# KiCad board demomatrix.kicad_pcb (continued)
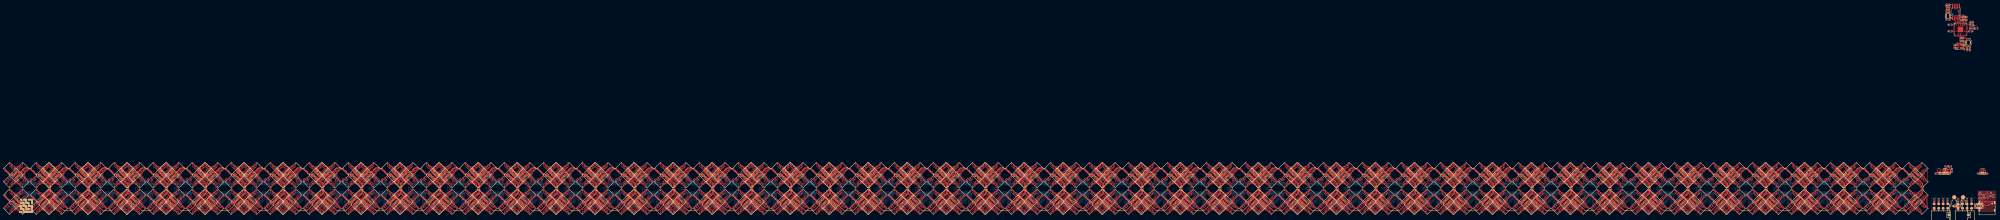
[diagram p0: board, top side]
## Nets (continued)
rgbs[2]-anodes-anode-474: LED586.5 LED587.6
rgbs[2]-anodes-anode-475: LED586.7 LED587.8
rgbs[2]-anodes-anode-476: LED590.3 LED591.4
rgbs[2]-anodes-anode-477: LED590.1 LED591.2
rgbs[2]-anodes-anode-478: LED590.5 LED591.6
rgbs[2]-anodes-anode-479: LED590.7 LED591.8
rgbs[2]-anodes-anode-480: LED594.3 LED595.4
rgbs[2]-anodes-anode-481: LED594.1 LED595.2
rgbs[2]-anodes-anode-482: LED594.5 LED595.6
rgbs[2]-anodes-anode-483: LED594.7 LED595.8
rgbs[2]-anodes-anode-484: LED598.3 LED599.4
rgbs[2]-anodes-anode-485: LED598.1 LED599.2
rgbs[2]-anodes-anode-486: LED598.5 LED599.6
rgbs[2]-anodes-anode-487: LED598.7 LED599.8
rgbs[2]-anodes-anode-488: LED602.3 LED603.4
rgbs[2]-anodes-anode-489: LED602.1 LED603.2
rgbs[2]-anodes-anode-490: LED602.5 LED603.6
rgbs[2]-anodes-anode-491: LED602.7 LED603.8
rgbs[2]-anodes-anode-492: LED606.3 LED607.4
rgbs[2]-anodes-anode-493: LED606.1 LED607.2
rgbs[2]-anodes-anode-494: LED606.5 LED607.6
rgbs[2]-anodes-anode-495: LED606.7 LED607.8
rgbs[2]-anodes-anode-496: LED610.3 LED611.4
rgbs[2]-anodes-anode-497: LED610.1 LED611.2
rgbs[2]-anodes-anode-498: LED610.5 LED611.6
rgbs[2]-anodes-anode-499: LED610.7 LED611.8
rgbs[2]-anodes-anode-500: LED614.3 LED615.4
rgbs[2]-anodes-anode-501: LED614.1 LED615.2
rgbs[2]-anodes-anode-502: LED614.5 LED615.6
rgbs[2]-anodes-anode-503: LED614.7 LED615.8
rgbs[2]-anodes-anode-504: LED618.3 LED619.4
rgbs[2]-anodes-anode-505: LED618.1 LED619.2
rgbs[2]-anodes-anode-506: LED618.5 LED619.6
rgbs[2]-anodes-anode-507: LED618.7 LED619.8
rgbs[2]-anodes-anode-508: LED622.3 LED623.4
rgbs[2]-anodes-anode-509: LED622.1 LED623.2
rgbs[2]-anodes-anode-510: LED622.5 LED623.6
rgbs[2]-anodes-anode-511: LED622.7 LED623.8
rgbs[2]-anodes-anode-512: LED626.3 LED627.4
rgbs[2]-anodes-anode-513: LED626.1 LED627.2
rgbs[2]-anodes-anode-514: LED626.5 LED627.6
rgbs[2]-anodes-anode-515: LED626.7 LED627.8
rgbs[2]-anodes-anode-516: LED630.3 LED631.4
rgbs[2]-anodes-anode-517: LED630.1 LED631.2
rgbs[2]-anodes-anode-518: LED630.5 LED631.6
rgbs[2]-anodes-anode-519: LED630.7 LED631.8
rgbs[2]-anodes-anode-520: LED634.3 LED635.4
rgbs[2]-anodes-anode-521: LED634.1 LED635.2
rgbs[2]-anodes-anode-522: LED634.5 LED635.6
rgbs[2]-anodes-anode-523: LED634.7 LED635.8
rgbs[2]-anodes-anode-524: LED638.3 LED639.4
rgbs[2]-anodes-anode-525: LED638.1 LED639.2
rgbs[2]-anodes-anode-526: LED638.5 LED639.6
rgbs[2]-anodes-anode-527: LED638.7 LED639.8
rgbs[2]-anodes-anode-528: LED50.3 LED51.4
rgbs[2]-anodes-anode-529: LED50.1 LED51.2
rgbs[2]-anodes-anode-530: LED50.5 LED51.6
rgbs[2]-anodes-anode-531: LED50.7 LED51.8
rgbs[2]-anodes-anode-532: LED54.3 LED55.4
rgbs[2]-anodes-anode-533: LED54.1 LED55.2
rgbs[2]-anodes-anode-534: LED54.5 LED55.6
rgbs[2]-anodes-anode-535: LED54.7 LED55.8
rgbs[2]-anodes-anode-536: LED58.3 LED59.4
rgbs[2]-anodes-anode-537: LED58.1 LED59.2
rgbs[2]-anodes-anode-538: LED58.5 LED59.6
rgbs[2]-anodes-anode-539: LED58.7 LED59.8
rgbs[2]-anodes-anode-540: LED62.3 LED63.4
rgbs[2]-anodes-anode-541: LED62.1 LED63.2
rgbs[2]-anodes-anode-542: LED62.5 LED63.6
rgbs[2]-anodes-anode-543: LED62.7 LED63.8
rgbs[2]-anodes-anode-544: LED642.3 LED643.4
rgbs[2]-anodes-anode-545: LED642.1 LED643.2
rgbs[2]-anodes-anode-546: LED642.5 LED643.6
rgbs[2]-anodes-anode-547: LED642.7 LED643.8
rgbs[2]-anodes-anode-548: LED646.3 LED647.4
rgbs[2]-anodes-anode-549: LED646.1 LED647.2
rgbs[2]-anodes-anode-550: LED646.5 LED647.6
rgbs[2]-anodes-anode-551: LED646.7 LED647.8
rgbs[2]-anodes-anode-552: LED650.3 LED651.4
rgbs[2]-anodes-anode-553: LED650.1 LED651.2
rgbs[2]-anodes-anode-554: LED650.5 LED651.6
rgbs[2]-anodes-anode-555: LED650.7 LED651.8
rgbs[2]-anodes-anode-556: LED654.3 LED655.4
rgbs[2]-anodes-anode-557: LED654.1 LED655.2
rgbs[2]-anodes-anode-558: LED654.5 LED655.6
rgbs[2]-anodes-anode-559: LED654.7 LED655.8
rgbs[2]-anodes-anode-560: LED658.3 LED659.4
rgbs[2]-anodes-anode-561: LED658.1 LED659.2
rgbs[2]-anodes-anode-562: LED658.5 LED659.6
rgbs[2]-anodes-anode-563: LED658.7 LED659.8
rgbs[2]-anodes-anode-564: LED662.3 LED663.4
rgbs[2]-anodes-anode-565: LED662.1 LED663.2
rgbs[2]-anodes-anode-566: LED662.5 LED663.6
rgbs[2]-anodes-anode-567: LED662.7 LED663.8
rgbs[2]-anodes-anode-568: LED666.3 LED667.4
rgbs[2]-anodes-anode-569: LED666.1 LED667.2
rgbs[2]-anodes-anode-570: LED666.5 LED667.6
rgbs[2]-anodes-anode-571: LED666.7 LED667.8
rgbs[2]-anodes-anode-572: LED670.3 LED671.4
rgbs[2]-anodes-anode-573: LED670.1 LED671.2
rgbs[2]-anodes-anode-574: LED670.5 LED671.6
rgbs[2]-anodes-anode-575: LED670.7 LED671.8
rgbs[2]-anodes-anode-576: LED674.3 LED675.4
rgbs[2]-anodes-anode-577: LED674.1 LED675.2
rgbs[2]-anodes-anode-578: LED674.5 LED675.6
rgbs[2]-anodes-anode-579: LED674.7 LED675.8
rgbs[2]-anodes-anode-580: LED678.3 LED679.4
rgbs[2]-anodes-anode-581: LED678.1 LED679.2
rgbs[2]-anodes-anode-582: LED678.5 LED679.6
rgbs[2]-anodes-anode-583: LED678.7 LED679.8
rgbs[2]-anodes-anode-584: LED682.3 LED683.4
rgbs[2]-anodes-anode-585: LED682.1 LED683.2
rgbs[2]-anodes-anode-586: LED682.5 LED683.6
rgbs[2]-anodes-anode-587: LED682.7 LED683.8
rgbs[2]-anodes-anode-588: LED686.3 LED687.4
rgbs[2]-anodes-anode-589: LED686.1 LED687.2
rgbs[2]-anodes-anode-590: LED686.5 LED687.6
rgbs[2]-anodes-anode-591: LED686.7 LED687.8
rgbs[2]-anodes-anode-592: LED690.3 LED691.4
rgbs[2]-anodes-anode-593: LED690.1 LED691.2
rgbs[2]-anodes-anode-594: LED690.5 LED691.6
rgbs[2]-anodes-anode-595: LED690.7 LED691.8
rgbs[2]-anodes-anode-596: LED694.3 LED695.4
rgbs[2]-anodes-anode-597: LED694.1 LED695.2
rgbs[2]-anodes-anode-598: LED694.5 LED695.6
rgbs[2]-anodes-anode-599: LED694.7 LED695.8
rgbs[2]-anodes-anode-600: LED698.3 LED699.4
rgbs[2]-anodes-anode-601: LED698.1 LED699.2
rgbs[2]-anodes-anode-602: LED698.5 LED699.6
rgbs[2]-anodes-anode-603: LED698.7 LED699.8
rgbs[2]-anodes-anode-604: LED702.3 LED703.4
rgbs[2]-anodes-anode-605: LED702.1 LED703.2
rgbs[2]-anodes-anode-606: LED702.5 LED703.6
rgbs[2]-anodes-anode-607: LED702.7 LED703.8
rgbs[2]-anodes-anode-608: LED706.3 LED707.4
rgbs[2]-anodes-anode-609: LED706.1 LED707.2
rgbs[2]-anodes-anode-610: LED706.5 LED707.6
rgbs[2]-anodes-anode-611: LED706.7 LED707.8
rgbs[2]-anodes-anode-612: LED710.3 LED711.4
rgbs[2]-anodes-anode-613: LED710.1 LED711.2
rgbs[2]-anodes-anode-614: LED710.5 LED711.6
rgbs[2]-anodes-anode-615: LED710.7 LED711.8
rgbs[2]-anodes-anode-616: LED714.3 LED715.4
rgbs[2]-anodes-anode-617: LED714.1 LED715.2
rgbs[2]-anodes-anode-618: LED714.5 LED715.6
rgbs[2]-anodes-anode-619: LED714.7 LED715.8
rgbs[2]-anodes-anode-620: LED718.3 LED719.4
rgbs[2]-anodes-anode-621: LED718.1 LED719.2
rgbs[2]-anodes-anode-622: LED718.5 LED719.6
rgbs[2]-anodes-anode-623: LED718.7 LED719.8
rgbs[2]-anodes-anode-624: LED722.3 LED723.4
rgbs[2]-anodes-anode-625: LED722.1 LED723.2
rgbs[2]-anodes-anode-626: LED722.5 LED723.6
rgbs[2]-anodes-anode-627: LED722.7 LED723.8
rgbs[2]-anodes-anode-628: LED726.3 LED727.4
rgbs[2]-anodes-anode-629: LED726.1 LED727.2
rgbs[2]-anodes-anode-630: LED726.5 LED727.6
rgbs[2]-anodes-anode-631: LED726.7 LED727.8
rgbs[2]-anodes-anode-632: LED730.3 LED731.4
rgbs[2]-anodes-anode-633: LED730.1 LED731.2
rgbs[2]-anodes-anode-634: LED730.5 LED731.6
rgbs[2]-anodes-anode-635: LED730.7 LED731.8
rgbs[2]-anodes-anode-636: LED734.3 LED735.4
rgbs[2]-anodes-anode-637: LED734.1 LED735.2
rgbs[2]-anodes-anode-638: LED734.5 LED735.6
rgbs[2]-anodes-anode-639: LED734.7 LED735.8
rgbs[2]-anodes-anode-640: LED738.3 LED739.4
rgbs[2]-anodes-anode-641: LED738.1 LED739.2
rgbs[2]-anodes-anode-642: LED738.5 LED739.6
rgbs[2]-anodes-anode-643: LED738.7 LED739.8
rgbs[2]-anodes-anode-644: LED742.3 LED743.4
rgbs[2]-anodes-anode-645: LED742.1 LED743.2
rgbs[2]-anodes-anode-646: LED742.5 LED743.6
rgbs[2]-anodes-anode-647: LED742.7 LED743.8
rgbs[2]-anodes-anode-648: LED746.3 LED747.4
rgbs[2]-anodes-anode-649: LED746.1 LED747.2
rgbs[2]-anodes-anode-650: LED746.5 LED747.6
rgbs[2]-anodes-anode-651: LED746.7 LED747.8
rgbs[2]-anodes-anode-652: LED750.3 LED751.4
rgbs[2]-anodes-anode-653: LED750.1 LED751.2
rgbs[2]-anodes-anode-654: LED750.5 LED751.6
rgbs[2]-anodes-anode-655: LED750.7 LED751.8
rgbs[2]-anodes-anode-656: LED754.3 LED755.4
rgbs[2]-anodes-anode-657: LED754.1 LED755.2
rgbs[2]-anodes-anode-658: LED754.5 LED755.6
rgbs[2]-anodes-anode-659: LED754.7 LED755.8
rgbs[2]-anodes-anode-660: LED758.3 LED759.4
rgbs[2]-anodes-anode-661: LED758.1 LED759.2
rgbs[2]-anodes-anode-662: LED758.5 LED759.6
rgbs[2]-anodes-anode-663: LED758.7 LED759.8
rgbs[2]-anodes-anode-664: LED762.3 LED763.4
rgbs[2]-anodes-anode-665: LED762.1 LED763.2
rgbs[2]-anodes-anode-666: LED762.5 LED763.6
rgbs[2]-anodes-anode-667: LED762.7 LED763.8
rgbs[2]-anodes-anode-668: LED766.3 LED767.4
rgbs[2]-anodes-anode-669: LED766.1 LED767.2
rgbs[2]-anodes-anode-670: LED766.5 LED767.6
rgbs[2]-anodes-anode-671: LED766.7 LED767.8
rgbs[2]-anodes-anode-672: LED770.3 LED771.4
rgbs[2]-anodes-anode-673: LED770.1 LED771.2
rgbs[2]-anodes-anode-674: LED770.5 LED771.6
rgbs[2]-anodes-anode-675: LED770.7 LED771.8
rgbs[2]-anodes-anode-676: LED774.3 LED775.4
rgbs[2]-anodes-anode-677: LED774.1 LED775.2
rgbs[2]-anodes-anode-678: LED774.5 LED775.6
rgbs[2]-anodes-anode-679: LED774.7 LED775.8
rgbs[2]-anodes-anode-680: LED778.3 LED779.4
rgbs[2]-anodes-anode-681: LED778.1 LED779.2
rgbs[2]-anodes-anode-682: LED778.5 LED779.6
rgbs[2]-anodes-anode-683: LED778.7 LED779.8
rgbs[2]-anodes-anode-684: LED782.3 LED783.4
rgbs[2]-anodes-anode-685: LED782.1 LED783.2
rgbs[2]-anodes-anode-686: LED782.5 LED783.6
rgbs[2]-anodes-anode-687: LED782.7 LED783.8
rgbs[2]-anodes-anode-688: LED66.3 LED67.4
rgbs[2]-anodes-anode-689: LED66.1 LED67.2
rgbs[2]-anodes-anode-690: LED66.5 LED67.6
rgbs[2]-anodes-anode-691: LED66.7 LED67.8
rgbs[2]-anodes-anode-692: LED70.3 LED71.4
rgbs[2]-anodes-anode-693: LED70.1 LED71.2
rgbs[2]-anodes-anode-694: LED70.5 LED71.6
rgbs[2]-anodes-anode-695: LED70.7 LED71.8
rgbs[2]-anodes-anode-696: LED74.3 LED75.4
rgbs[2]-anodes-anode-697: LED74.1 LED75.2
rgbs[2]-anodes-anode-698: LED74.5 LED75.6
rgbs[2]-anodes-anode-699: LED74.7 LED75.8
rgbs[2]-anodes-anode-700: LED78.3 LED79.4
rgbs[2]-anodes-anode-701: LED78.1 LED79.2
rgbs[2]-anodes-anode-702: LED78.5 LED79.6
rgbs[2]-anodes-anode-703: LED78.7 LED79.8
rgbs[2]-anodes-anode-704: LED82.3 LED83.4
rgbs[2]-anodes-anode-705: LED82.1 LED83.2
rgbs[2]-anodes-anode-706: LED82.5 LED83.6
rgbs[2]-anodes-anode-707: LED82.7 LED83.8
rgbs[2]-anodes-anode-708: LED86.3 LED87.4
rgbs[2]-anodes-anode-709: LED86.1 LED87.2
rgbs[2]-anodes-anode-710: LED86.5 LED87.6
rgbs[2]-anodes-anode-711: LED86.7 LED87.8
rgbs[2]-anodes-anode-712: LED90.3 LED91.4
rgbs[2]-anodes-anode-713: LED90.1 LED91.2
rgbs[2]-anodes-anode-714: LED90.5 LED91.6
rgbs[2]-anodes-anode-715: LED90.7 LED91.8
rgbs[2]-anodes-anode-716: LED94.3 LED95.4
rgbs[2]-anodes-anode-717: LED94.1 LED95.2
rgbs[2]-anodes-anode-718: LED94.5 LED95.6
rgbs[2]-anodes-anode-719: LED94.7 LED95.8
rgbs[2]-anodes-anode-720: LED98.3 LED99.4
rgbs[2]-anodes-anode-721: LED98.1 LED99.2
rgbs[2]-anodes-anode-722: LED98.5 LED99.6
rgbs[2]-anodes-anode-723: LED98.7 LED99.8
rgbs[2]-anodes-anode-724: LED102.3 LED103.4
rgbs[2]-anodes-anode-725: LED102.1 LED103.2
rgbs[2]-anodes-anode-726: LED102.5 LED103.6
rgbs[2]-anodes-anode-727: LED102.7 LED103.8
rgbs[2]-anodes-anode-728: LED106.3 LED107.4
rgbs[2]-anodes-anode-729: LED106.1 LED107.2
rgbs[2]-anodes-anode-730: LED106.5 LED107.6
rgbs[2]-anodes-anode-731: LED106.7 LED107.8
rgbs[2]-anodes-anode-732: LED110.3 LED111.4
rgbs[2]-anodes-anode-733: LED110.1 LED111.2
rgbs[2]-anodes-anode-734: LED110.5 LED111.6
rgbs[2]-anodes-anode-735: LED110.7 LED111.8
rgbs[2]-anodes-anode-736: LED114.3 LED115.4
rgbs[2]-anodes-anode-737: LED114.1 LED115.2
rgbs[2]-anodes-anode-738: LED114.5 LED115.6
rgbs[2]-anodes-anode-739: LED114.7 LED115.8
rgbs[2]-anodes-anode-740: LED118.3 LED119.4
rgbs[2]-anodes-anode-741: LED118.1 LED119.2
rgbs[2]-anodes-anode-742: LED118.5 LED119.6
rgbs[2]-anodes-anode-743: LED118.7 LED119.8
rgbs[2]-anodes-anode-744: LED122.3 LED123.4
rgbs[2]-anodes-anode-745: LED122.1 LED123.2
rgbs[2]-anodes-anode-746: LED122.5 LED123.6
rgbs[2]-anodes-anode-747: LED122.7 LED123.8
rgbs[2]-anodes-anode-748: LED126.3 LED127.4
rgbs[2]-anodes-anode-749: LED126.1 LED127.2
rgbs[2]-anodes-anode-750: LED126.5 LED127.6
rgbs[2]-anodes-anode-751: LED126.7 LED127.8
rgbs[2]-anodes-anode-752: LED130.3 LED131.4
rgbs[2]-anodes-anode-753: LED130.1 LED131.2
rgbs[2]-anodes-anode-754: LED130.5 LED131.6
rgbs[2]-anodes-anode-755: LED130.7 LED131.8
rgbs[2]-anodes-anode-756: LED134.3 LED135.4
rgbs[2]-anodes-anode-757: LED134.1 LED135.2
rgbs[2]-anodes-anode-758: LED134.5 LED135.6
rgbs[2]-anodes-anode-759: LED134.7 LED135.8
rgbs[2]-anodes-anode-760: LED138.3 LED139.4
rgbs[2]-anodes-anode-761: LED138.1 LED139.2
rgbs[2]-anodes-anode-762: LED138.5 LED139.6
rgbs[2]-anodes-anode-763: LED138.7 LED139.8
rgbs[2]-anodes-anode-764: LED142.3 LED143.4
rgbs[2]-anodes-anode-765: LED142.1 LED143.2
rgbs[2]-anodes-anode-766: LED142.5 LED143.6
rgbs[2]-anodes-anode-767: LED142.7 LED143.8
rgbs[2]-anodes-anode-768: LED146.3 LED147.4
rgbs[2]-anodes-anode-769: LED146.1 LED147.2
rgbs[2]-anodes-anode-770: LED146.5 LED147.6
rgbs[2]-anodes-anode-771: LED146.7 LED147.8
rgbs[2]-anodes-anode-772: LED150.3 LED151.4
rgbs[2]-anodes-anode-773: LED150.1 LED151.2
rgbs[2]-anodes-anode-774: LED150.5 LED151.6
rgbs[2]-anodes-anode-775: LED150.7 LED151.8
rgbs[2]-anodes-anode-776: LED154.3 LED155.4
rgbs[2]-anodes-anode-777: LED154.1 LED155.2
rgbs[2]-anodes-anode-778: LED154.5 LED155.6
rgbs[2]-anodes-anode-779: LED154.7 LED155.8
rgbs[2]-anodes-anode-780: LED158.3 LED159.4
rgbs[2]-anodes-anode-781: LED158.1 LED159.2
rgbs[2]-anodes-anode-782: LED158.5 LED159.6
rgbs[2]-anodes-anode-783: LED158.7 LED159.8
rgbs[3]-anodes-anode-0: LED3.3 LED4.4
rgbs[3]-anodes-anode-1: LED3.1 LED4.2
rgbs[3]-anodes-anode-2: LED3.5 LED4.6
rgbs[3]-anodes-anode-3: LED3.7 LED4.8
rgbs[3]-anodes-anode-4: LED7.3 LED8.4
rgbs[3]-anodes-anode-5: LED7.1 LED8.2
rgbs[3]-anodes-anode-6: LED7.5 LED8.6
rgbs[3]-anodes-anode-7: LED7.7 LED8.8
rgbs[3]-anodes-anode-8: LED11.3 LED12.4
rgbs[3]-anodes-anode-9: LED11.1 LED12.2
rgbs[3]-anodes-anode-10: LED11.5 LED12.6
rgbs[3]-anodes-anode-11: LED11.7 LED12.8
rgbs[3]-anodes-anode-12: LED15.3 LED16.4
rgbs[3]-anodes-anode-13: LED15.1 LED16.2
rgbs[3]-anodes-anode-14: LED15.5 LED16.6
rgbs[3]-anodes-anode-15: LED15.7 LED16.8
rgbs[3]-anodes-anode-16: LED163.3 LED164.4
rgbs[3]-anodes-anode-17: LED163.1 LED164.2
rgbs[3]-anodes-anode-18: LED163.5 LED164.6
rgbs[3]-anodes-anode-19: LED163.7 LED164.8
rgbs[3]-anodes-anode-20: LED167.3 LED168.4
rgbs[3]-anodes-anode-21: LED167.1 LED168.2
rgbs[3]-anodes-anode-22: LED167.5 LED168.6
rgbs[3]-anodes-anode-23: LED167.7 LED168.8
rgbs[3]-anodes-anode-24: LED171.3 LED172.4
rgbs[3]-anodes-anode-25: LED171.1 LED172.2
rgbs[3]-anodes-anode-26: LED171.5 LED172.6
rgbs[3]-anodes-anode-27: LED171.7 LED172.8
rgbs[3]-anodes-anode-28: LED175.3 LED176.4
rgbs[3]-anodes-anode-29: LED175.1 LED176.2
rgbs[3]-anodes-anode-30: LED175.5 LED176.6
rgbs[3]-anodes-anode-31: LED175.7 LED176.8
rgbs[3]-anodes-anode-32: LED179.3 LED180.4
rgbs[3]-anodes-anode-33: LED179.1 LED180.2
rgbs[3]-anodes-anode-34: LED179.5 LED180.6
rgbs[3]-anodes-anode-35: LED179.7 LED180.8
rgbs[3]-anodes-anode-36: LED183.3 LED184.4
rgbs[3]-anodes-anode-37: LED183.1 LED184.2
rgbs[3]-anodes-anode-38: LED183.5 LED184.6
rgbs[3]-anodes-anode-39: LED183.7 LED184.8
rgbs[3]-anodes-anode-40: LED187.3 LED188.4
rgbs[3]-anodes-anode-41: LED187.1 LED188.2
rgbs[3]-anodes-anode-42: LED187.5 LED188.6
rgbs[3]-anodes-anode-43: LED187.7 LED188.8
rgbs[3]-anodes-anode-44: LED191.3 LED192.4
rgbs[3]-anodes-anode-45: LED191.1 LED192.2
rgbs[3]-anodes-anode-46: LED191.5 LED192.6
rgbs[3]-anodes-anode-47: LED191.7 LED192.8
rgbs[3]-anodes-anode-48: LED195.3 LED196.4
rgbs[3]-anodes-anode-49: LED195.1 LED196.2
rgbs[3]-anodes-anode-50: LED195.5 LED196.6
rgbs[3]-anodes-anode-51: LED195.7 LED196.8
rgbs[3]-anodes-anode-52: LED199.3 LED200.4
rgbs[3]-anodes-anode-53: LED199.1 LED200.2
rgbs[3]-anodes-anode-54: LED199.5 LED200.6
rgbs[3]-anodes-anode-55: LED199.7 LED200.8
rgbs[3]-anodes-anode-56: LED203.3 LED204.4
rgbs[3]-anodes-anode-57: LED203.1 LED204.2
rgbs[3]-anodes-anode-58: LED203.5 LED204.6
rgbs[3]-anodes-anode-59: LED203.7 LED204.8
rgbs[3]-anodes-anode-60: LED207.3 LED208.4
rgbs[3]-anodes-anode-61: LED207.1 LED208.2
rgbs[3]-anodes-anode-62: LED207.5 LED208.6
rgbs[3]-anodes-anode-63: LED207.7 LED208.8
rgbs[3]-anodes-anode-64: LED211.3 LED212.4
rgbs[3]-anodes-anode-65: LED211.1 LED212.2
rgbs[3]-anodes-anode-66: LED211.5 LED212.6
rgbs[3]-anodes-anode-67: LED211.7 LED212.8
rgbs[3]-anodes-anode-68: LED215.3 LED216.4
rgbs[3]-anodes-anode-69: LED215.1 LED216.2
rgbs[3]-anodes-anode-70: LED215.5 LED216.6
rgbs[3]-anodes-anode-71: LED215.7 LED216.8
rgbs[3]-anodes-anode-72: LED219.3 LED220.4
rgbs[3]-anodes-anode-73: LED219.1 LED220.2
rgbs[3]-anodes-anode-74: LED219.5 LED220.6
rgbs[3]-anodes-anode-75: LED219.7 LED220.8
rgbs[3]-anodes-anode-76: LED223.3 LED224.4
rgbs[3]-anodes-anode-77: LED223.1 LED224.2
rgbs[3]-anodes-anode-78: LED223.5 LED224.6
rgbs[3]-anodes-anode-79: LED223.7 LED224.8
rgbs[3]-anodes-anode-80: LED227.3 LED228.4
rgbs[3]-anodes-anode-81: LED227.1 LED228.2
rgbs[3]-anodes-anode-82: LED227.5 LED228.6
rgbs[3]-anodes-anode-83: LED227.7 LED228.8
rgbs[3]-anodes-anode-84: LED231.3 LED232.4
rgbs[3]-anodes-anode-85: LED231.1 LED232.2
rgbs[3]-anodes-anode-86: LED231.5 LED232.6
rgbs[3]-anodes-anode-87: LED231.7 LED232.8
rgbs[3]-anodes-anode-88: LED235.3 LED236.4
rgbs[3]-anodes-anode-89: LED235.1 LED236.2
rgbs[3]-anodes-anode-90: LED235.5 LED236.6
rgbs[3]-anodes-anode-91: LED235.7 LED236.8
rgbs[3]-anodes-anode-92: LED239.3 LED240.4
rgbs[3]-anodes-anode-93: LED239.1 LED240.2
rgbs[3]-anodes-anode-94: LED239.5 LED240.6
rgbs[3]-anodes-anode-95: LED239.7 LED240.8
rgbs[3]-anodes-anode-96: LED243.3 LED244.4
rgbs[3]-anodes-anode-97: LED243.1 LED244.2
rgbs[3]-anodes-anode-98: LED243.5 LED244.6
rgbs[3]-anodes-anode-99: LED243.7 LED244.8
rgbs[3]-anodes-anode-100: LED247.3 LED248.4
rgbs[3]-anodes-anode-101: LED247.1 LED248.2
rgbs[3]-anodes-anode-102: LED247.5 LED248.6
rgbs[3]-anodes-anode-103: LED247.7 LED248.8
rgbs[3]-anodes-anode-104: LED251.3 LED252.4
rgbs[3]-anodes-anode-105: LED251.1 LED252.2
rgbs[3]-anodes-anode-106: LED251.5 LED252.6
rgbs[3]-anodes-anode-107: LED251.7 LED252.8
rgbs[3]-anodes-anode-108: LED255.3 LED256.4
rgbs[3]-anodes-anode-109: LED255.1 LED256.2
rgbs[3]-anodes-anode-110: LED255.5 LED256.6
rgbs[3]-anodes-anode-111: LED255.7 LED256.8
rgbs[3]-anodes-anode-112: LED259.3 LED260.4
rgbs[3]-anodes-anode-113: LED259.1 LED260.2
rgbs[3]-anodes-anode-114: LED259.5 LED260.6
rgbs[3]-anodes-anode-115: LED259.7 LED260.8
rgbs[3]-anodes-anode-116: LED263.3 LED264.4
rgbs[3]-anodes-anode-117: LED263.1 LED264.2
rgbs[3]-anodes-anode-118: LED263.5 LED264.6
rgbs[3]-anodes-anode-119: LED263.7 LED264.8
rgbs[3]-anodes-anode-120: LED267.3 LED268.4
rgbs[3]-anodes-anode-121: LED267.1 LED268.2
rgbs[3]-anodes-anode-122: LED267.5 LED268.6
rgbs[3]-anodes-anode-123: LED267.7 LED268.8
rgbs[3]-anodes-anode-124: LED271.3 LED272.4
rgbs[3]-anodes-anode-125: LED271.1 LED272.2
rgbs[3]-anodes-anode-126: LED271.5 LED272.6
rgbs[3]-anodes-anode-127: LED271.7 LED272.8
rgbs[3]-anodes-anode-128: LED275.3 LED276.4
rgbs[3]-anodes-anode-129: LED275.1 LED276.2
rgbs[3]-anodes-anode-130: LED275.5 LED276.6
rgbs[3]-anodes-anode-131: LED275.7 LED276.8
rgbs[3]-anodes-anode-132: LED279.3 LED280.4
rgbs[3]-anodes-anode-133: LED279.1 LED280.2
rgbs[3]-anodes-anode-134: LED279.5 LED280.6
rgbs[3]-anodes-anode-135: LED279.7 LED280.8
rgbs[3]-anodes-anode-136: LED283.3 LED284.4
rgbs[3]-anodes-anode-137: LED283.1 LED284.2
rgbs[3]-anodes-anode-138: LED283.5 LED284.6
rgbs[3]-anodes-anode-139: LED283.7 LED284.8
rgbs[3]-anodes-anode-140: LED287.3 LED288.4
rgbs[3]-anodes-anode-141: LED287.1 LED288.2
rgbs[3]-anodes-anode-142: LED287.5 LED288.6
rgbs[3]-anodes-anode-143: LED287.7 LED288.8
rgbs[3]-anodes-anode-144: LED291.3 LED292.4
rgbs[3]-anodes-anode-145: LED291.1 LED292.2
rgbs[3]-anodes-anode-146: LED291.5 LED292.6
rgbs[3]-anodes-anode-147: LED291.7 LED292.8
rgbs[3]-anodes-anode-148: LED295.3 LED296.4
rgbs[3]-anodes-anode-149: LED295.1 LED296.2
rgbs[3]-anodes-anode-150: LED295.5 LED296.6
rgbs[3]-anodes-anode-151: LED295.7 LED296.8
rgbs[3]-anodes-anode-152: LED299.3 LED300.4
rgbs[3]-anodes-anode-153: LED299.1 LED300.2
rgbs[3]-anodes-anode-154: LED299.5 LED300.6
rgbs[3]-anodes-anode-155: LED299.7 LED300.8
rgbs[3]-anodes-anode-156: LED303.3 LED304.4
rgbs[3]-anodes-anode-157: LED303.1 LED304.2
rgbs[3]-anodes-anode-158: LED303.5 LED304.6
rgbs[3]-anodes-anode-159: LED303.7 LED304.8
rgbs[3]-anodes-anode-160: LED307.3 LED308.4
rgbs[3]-anodes-anode-161: LED307.1 LED308.2
rgbs[3]-anodes-anode-162: LED307.5 LED308.6
rgbs[3]-anodes-anode-163: LED307.7 LED308.8
rgbs[3]-anodes-anode-164: LED311.3 LED312.4
rgbs[3]-anodes-anode-165: LED311.1 LED312.2
rgbs[3]-anodes-anode-166: LED311.5 LED312.6
rgbs[3]-anodes-anode-167: LED311.7 LED312.8
rgbs[3]-anodes-anode-168: LED315.3 LED316.4
rgbs[3]-anodes-anode-169: LED315.1 LED316.2
rgbs[3]-anodes-anode-170: LED315.5 LED316.6
rgbs[3]-anodes-anode-171: LED315.7 LED316.8
rgbs[3]-anodes-anode-172: LED319.3 LED320.4
rgbs[3]-anodes-anode-173: LED319.1 LED320.2
rgbs[3]-anodes-anode-174: LED319.5 LED320.6
rgbs[3]-anodes-anode-175: LED319.7 LED320.8
rgbs[3]-anodes-anode-176: LED19.3 LED20.4
rgbs[3]-anodes-anode-177: LED19.1 LED20.2
rgbs[3]-anodes-anode-178: LED19.5 LED20.6
rgbs[3]-anodes-anode-179: LED19.7 LED20.8
rgbs[3]-anodes-anode-180: LED23.3 LED24.4
rgbs[3]-anodes-anode-181: LED23.1 LED24.2
rgbs[3]-anodes-anode-182: LED23.5 LED24.6
rgbs[3]-anodes-anode-183: LED23.7 LED24.8
rgbs[3]-anodes-anode-184: LED27.3 LED28.4
rgbs[3]-anodes-anode-185: LED27.1 LED28.2
rgbs[3]-anodes-anode-186: LED27.5 LED28.6
rgbs[3]-anodes-anode-187: LED27.7 LED28.8
rgbs[3]-anodes-anode-188: LED31.3 LED32.4
rgbs[3]-anodes-anode-189: LED31.1 LED32.2
rgbs[3]-anodes-anode-190: LED31.5 LED32.6
rgbs[3]-anodes-anode-191: LED31.7 LED32.8
rgbs[3]-anodes-anode-192: LED323.3 LED324.4
rgbs[3]-anodes-anode-193: LED323.1 LED324.2
rgbs[3]-anodes-anode-194: LED323.5 LED324.6
rgbs[3]-anodes-anode-195: LED323.7 LED324.8
rgbs[3]-anodes-anode-196: LED327.3 LED328.4
rgbs[3]-anodes-anode-197: LED327.1 LED328.2
rgbs[3]-anodes-anode-198: LED327.5 LED328.6
rgbs[3]-anodes-anode-199: LED327.7 LED328.8
rgbs[3]-anodes-anode-200: LED331.3 LED332.4
rgbs[3]-anodes-anode-201: LED331.1 LED332.2
rgbs[3]-anodes-anode-202: LED331.5 LED332.6
rgbs[3]-anodes-anode-203: LED331.7 LED332.8
rgbs[3]-anodes-anode-204: LED335.3 LED336.4
rgbs[3]-anodes-anode-205: LED335.1 LED336.2
rgbs[3]-anodes-anode-206: LED335.5 LED336.6
rgbs[3]-anodes-anode-207: LED335.7 LED336.8
rgbs[3]-anodes-anode-208: LED339.3 LED340.4
rgbs[3]-anodes-anode-209: LED339.1 LED340.2
rgbs[3]-anodes-anode-210: LED339.5 LED340.6
rgbs[3]-anodes-anode-211: LED339.7 LED340.8
rgbs[3]-anodes-anode-212: LED343.3 LED344.4
rgbs[3]-anodes-anode-213: LED343.1 LED344.2
rgbs[3]-anodes-anode-214: LED343.5 LED344.6
rgbs[3]-anodes-anode-215: LED343.7 LED344.8
rgbs[3]-anodes-anode-216: LED347.3 LED348.4
rgbs[3]-anodes-anode-217: LED347.1 LED348.2
rgbs[3]-anodes-anode-218: LED347.5 LED348.6
rgbs[3]-anodes-anode-219: LED347.7 LED348.8
rgbs[3]-anodes-anode-220: LED351.3 LED352.4
rgbs[3]-anodes-anode-221: LED351.1 LED352.2
rgbs[3]-anodes-anode-222: LED351.5 LED352.6
rgbs[3]-anodes-anode-223: LED351.7 LED352.8
rgbs[3]-anodes-anode-224: LED355.3 LED356.4
rgbs[3]-anodes-anode-225: LED355.1 LED356.2
rgbs[3]-anodes-anode-226: LED355.5 LED356.6
rgbs[3]-anodes-anode-227: LED355.7 LED356.8
rgbs[3]-anodes-anode-228: LED359.3 LED360.4
rgbs[3]-anodes-anode-229: LED359.1 LED360.2
rgbs[3]-anodes-anode-230: LED359.5 LED360.6
rgbs[3]-anodes-anode-231: LED359.7 LED360.8
rgbs[3]-anodes-anode-232: LED363.3 LED364.4
rgbs[3]-anodes-anode-233: LED363.1 LED364.2
rgbs[3]-anodes-anode-234: LED363.5 LED364.6
rgbs[3]-anodes-anode-235: LED363.7 LED364.8
rgbs[3]-anodes-anode-236: LED367.3 LED368.4
rgbs[3]-anodes-anode-237: LED367.1 LED368.2
rgbs[3]-anodes-anode-238: LED367.5 LED368.6
rgbs[3]-anodes-anode-239: LED367.7 LED368.8
rgbs[3]-anodes-anode-240: LED371.3 LED372.4
rgbs[3]-anodes-anode-241: LED371.1 LED372.2
rgbs[3]-anodes-anode-242: LED371.5 LED372.6
rgbs[3]-anodes-anode-243: LED371.7 LED372.8
rgbs[3]-anodes-anode-244: LED375.3 LED376.4
rgbs[3]-anodes-anode-245: LED375.1 LED376.2
rgbs[3]-anodes-anode-246: LED375.5 LED376.6
rgbs[3]-anodes-anode-247: LED375.7 LED376.8
rgbs[3]-anodes-anode-248: LED379.3 LED380.4
rgbs[3]-anodes-anode-249: LED379.1 LED380.2
rgbs[3]-anodes-anode-250: LED379.5 LED380.6
rgbs[3]-anodes-anode-251: LED379.7 LED380.8
rgbs[3]-anodes-anode-252: LED383.3 LED384.4
rgbs[3]-anodes-anode-253: LED383.1 LED384.2
rgbs[3]-anodes-anode-254: LED383.5 LED384.6
rgbs[3]-anodes-anode-255: LED383.7 LED384.8
rgbs[3]-anodes-anode-256: LED387.3 LED388.4
rgbs[3]-anodes-anode-257: LED387.1 LED388.2
rgbs[3]-anodes-anode-258: LED387.5 LED388.6
rgbs[3]-anodes-anode-259: LED387.7 LED388.8
rgbs[3]-anodes-anode-260: LED391.3 LED392.4
rgbs[3]-anodes-anode-261: LED391.1 LED392.2
rgbs[3]-anodes-anode-262: LED391.5 LED392.6
rgbs[3]-anodes-anode-263: LED391.7 LED392.8
